# Altium PCB 23D_ESC_DRIVER.PcbDoc (continued)
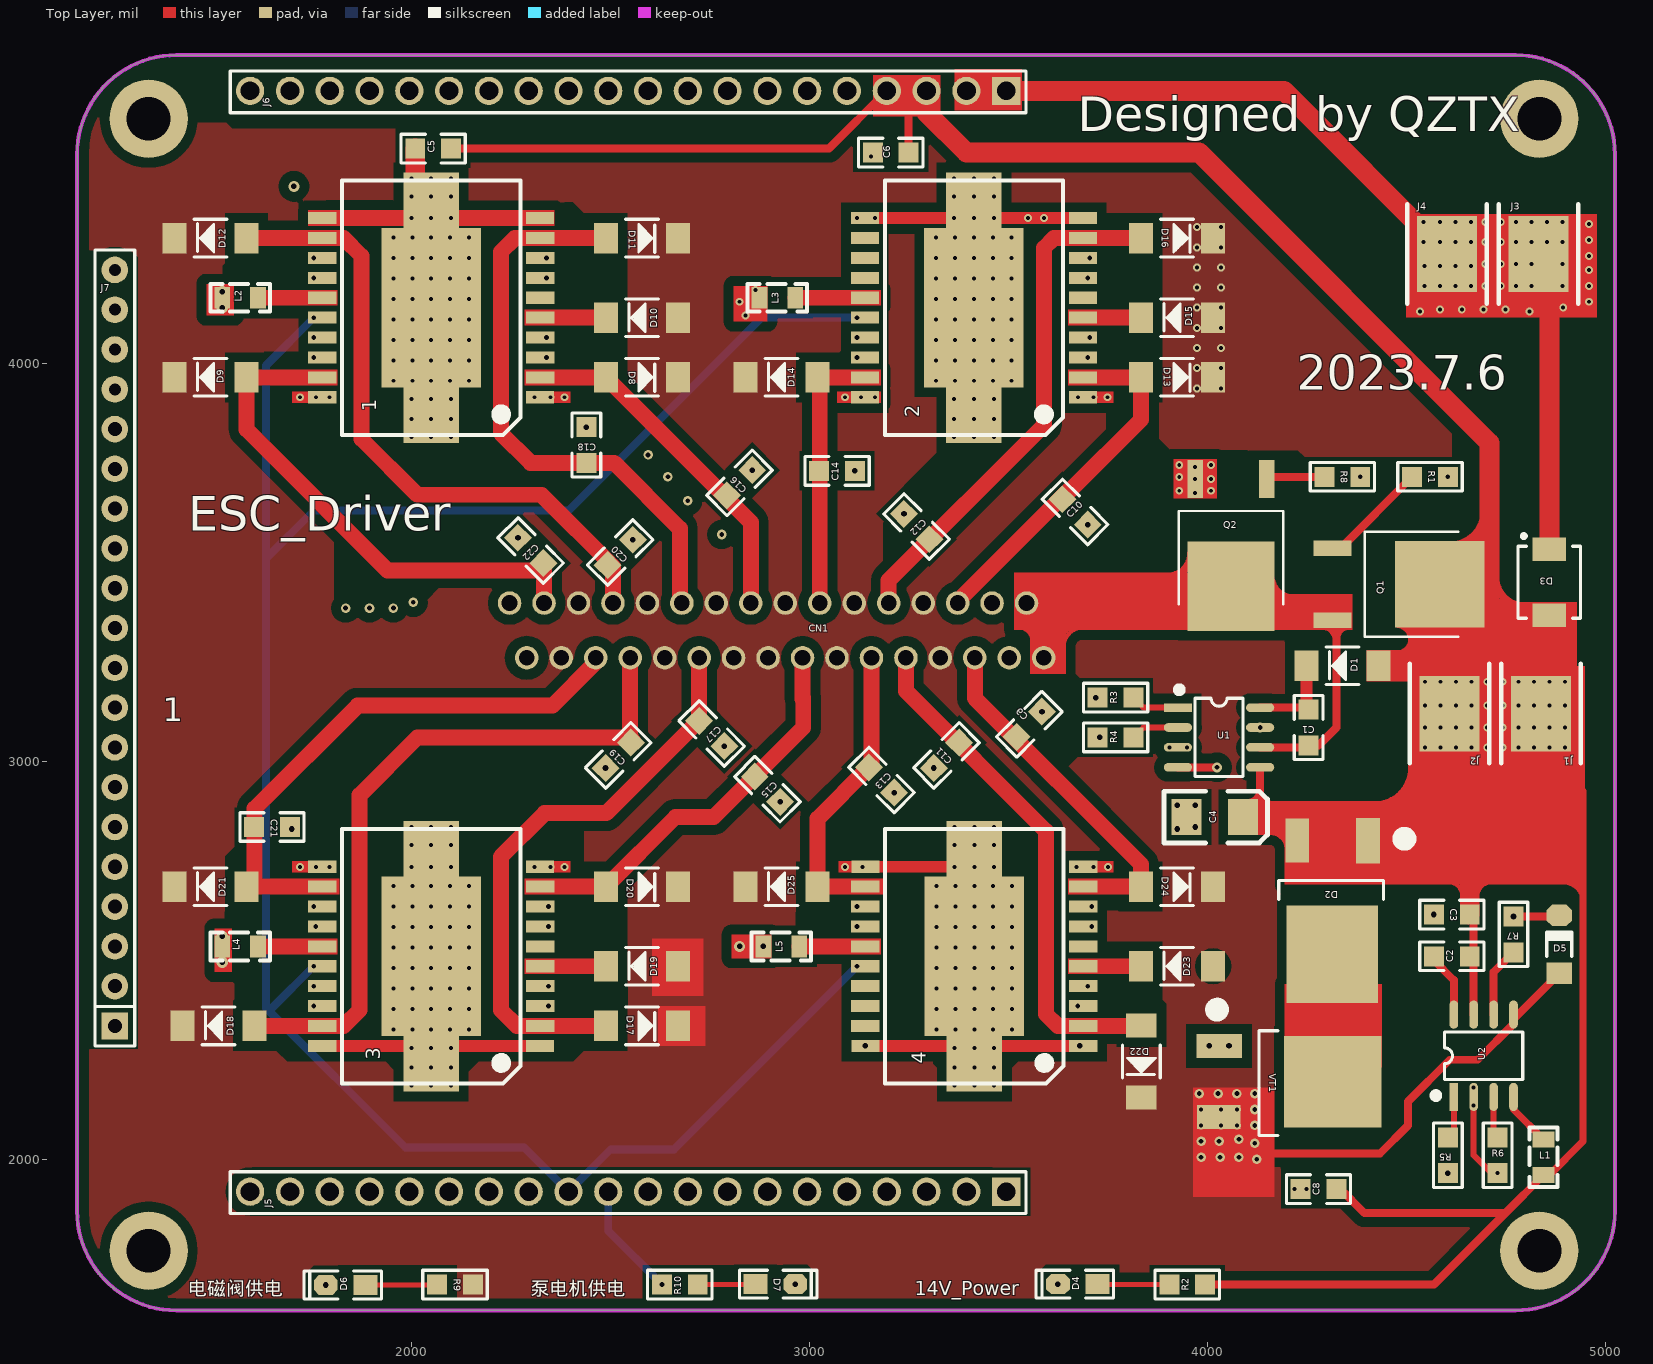
[diagram p0: Top Layer view]
## Part data
C1 C2 C3 C5 C6 C8 C9 C10 C11 C12 C13 C14 C15 C16 C17 C18 C19 C20 C21 C22: library part Cap, "无极性电容"
C4: library part Cap_Pol, "极性电容"
CN1: "间距:2.2mm;插针结构:2x16P;排数:2;每排PIN数:16;行距:3mm;公母:公型插针;安装方式:弯插;"
D1 D2 D8 D9 D10 D11 D12 D13 D14 D15 D16 D17 D18 D19 D20 D21 D22 D23 D24 D25: library part Diode, "二极管"
D3: library part P6SMBXX, "BiDir TVS Diode"
D4 D6 D7: library part LED, "发光二极管"
D5: library part Diode_Zener
J1 J2 J3 J4: "表贴接线端"
J5 J6 J7: "排数:单排;总PIN位数:20;间距:2.54mm;插针结构:1x20P;行距:-;安装类型:直插;圆针/方针:方针;额定电流:3A;额定电压:-;配合针长度:-;塑高:-;端接针长度:-;触头材质:黄铜;触头镀层:-;工作温度范围:-40℃~+105℃;颜色:黑色;"
L1 L2 L3 L4 L5: "电感"
Q1 Q2: "类型:N沟道;漏源电压(Vdss):30V;连续漏极电流(Id):120A;导通电阻(RDS(on)@Vgs,Id):2.3mΩ@10V,120A;"
R1 R2 R3 R4 R5 R6 R7 R8 R9 R10: library part Resistor, "电阻"
U1: "Half-Bridge Gate Driver"
U2: "B2B MOSFET Driver"
VT1: library part PowerMos_N

## Free pads (board coordinates)
  round 196.85 hole 110.24: 5(1340,1770) 5(1340,4615) 5(4835,1770) 5(4835,4615)

## Via types
v1: diameter 20, hole 10, Top Layer to Bottom Layer, 394 vias
v2: diameter 24, hole 12, Top Layer to Bottom Layer, 55 vias
v3: diameter 28, hole 14, Top Layer to Bottom Layer, 37 vias
v4: diameter 25, hole 12, Top Layer to Bottom Layer, 4 vias

## Nets (pads, with @x,y where several pads share a name; then routed paths per layer and width w, separated by ;. In a path a pad name is that pad's centre, name@x,y a point inside that pad or via, vN(x,y) a via of type N, cw(c..) or ccw(c..) an arc to the next point about the centre after c; other vN are vias at no path point)
GND1: 1.15 L2.2 | length 161.1
  Top Layer w40: L2.2 1.15
GND2: 2.15 L3.2 | length 176.1
  Top Layer w40: L3.2 2.15 2.15@3141.08,4165
GND3: 3.15 L4.2 | length 161.1
  Top Layer w40: L4.2 3.15
GND4: 4.15 L5.2 | length 166.1
  Top Layer w40: L5.2 4.15
L9349_ENABLE: 1.16 2.16 3.16 4.16 J5.12 | length 5616.1
  Signal Layer 2 w15: J5.12 J5.12@2395,1940
  Bottom Layer w15: 1635,2385 1635,2380 1650,2380
  Bottom Layer w20: 1635,2380 1985,2030 2283.5,2030 J5.12 2501.5,2025 2660,2025 v2(3120,2485) ; 1635,2385 1635,3510 ; 1650,2380 v2(1755,2485) ; v2(1755,4115) 1635,3995 1635,3510 ; v2(3120,4115) 2880,4115 2395,3630 1755,3630 1635,3510
LBI_OUT: 1.19 C22.1 CN1.30 D9.1 | length 1332
  Top Layer w40: 1.19 D9.1 1586.03,3833.97 1940,3480 2331.82,3480 C22.1 ; CN1.30 C22.1@2333.63,3498.18
LBI_PWM: 1.17 J5.19 | length 2353.6
  Signal Layer 2 w20: J5.19 1475,2138.5 1475,3785 v2(1755,4065)
LBI_STA: 1.18 J6.13 | length 981.5
  Signal Layer 2 w20: v2(1755,4015) 1860,4120 1860,4400 2030,4570 2180,4570 J6.13
LBO_OUT: 2.19 C14.1 CN1.14 D14.1 | length 689.5
  Top Layer w40: CN1.14 3026.54,3959.49 D14.1 2.19 2.19@3141.08,3965
LBO_PWM: 2.17 J5.6 | length 3088.8
  Signal Layer 2 w20: J5.6 3136.5,2060 3695,2060 3800,2165 3800,3275 3215,3860 3215,3970 v2(3120,4065)
LBO_STA: 2.18 J6.17 | length 1537.7
  Signal Layer 1 w20: J6.17 1895,4625 2015,4505 2630,4505 v2(3120,4015)
LFI_OUT: 3.19 C19.2 CN1.25 D18.1 | length 1794.1
  Top Layer w15: D18.1@1615,2326.03 D18.1@1623.97,2335
  Top Layer w40: D18.1 D18.1@1615,2326.03 ; D18.1@1623.97,2335 3.19 1830,2335 1870,2375 1870,2915 2015,3060 C19.2@2550,3060 ; CN1.25 2550.16,3155.16 2550,3155 C19.2@2550,3060 ; C19.2 C19.2@2551.82,3056.82 ; C19.2@2556.82,3051.82 C19.2@2551.82,3056.82 ; C19.2@2550,3060 2551.82,3060 C19.2@2551.82,3056.82 ; C19.2@2550,3060 2550,3058.64 C19.2@2551.82,3056.82
LFI_PWM: 3.17 J5.17 | length 686.3
  Signal Layer 2 w20: v2(1755,2435) 1620,2300 1620,2193.5 J5.17
LFI_STA: 3.18 J6.9 | length 3014.5
  Signal Layer 1 w20: v2(1895,3385) 1895,3520 2030,3655 2585,3655 v2(2645,3715)
  Signal Layer 2 w20: v2(1755,2385) 1895,2525 v2(1895,3385) ; v2(2645,3715) 2695,3765 J6.9
LFO_OUT: 3.9 C15.2 CN1.15 D20.1 | length 1007.5
  Top Layer w40: 3.9 D20.1 2663.97,2860 2760,2860 2985,3085 2985,3155 ; CN1.15 2983.23,3156.77 2985,3155 ; 2985,3160 2985,3155
LFO_PWM: 3.7 J5.15 | length 852.9
  Signal Layer 2 w20: J5.15 2445,2268.5 2445,2485 v2(2345,2585)
LFO_STA: 3.8 J6.7 | length 2928.9
  Signal Layer 1 w15: J6.7@2895,4670 J6.7
  Signal Layer 1 w20: v2(2005,3400) 2080,3475 2685,3475 v2(2780,3570)
  Signal Layer 2 w20: v2(2005,3400) 2005,3215 2097.5,3122.5 2097.5,3098.25 2240,2955.75 2240,2740 v2(2345,2635) ; v2(2780,3570) 2895,3685 J6.7
LSTB1_OUT: 4.9 C9.2 CN1.5 D24.1 | length 893.1
  Top Layer w40: CN1.5 3416.3,3158.7 3833.97,2741.03 D24.1 4.9
LSTB1_PWM: 4.7 J5.7 | length 1387.3
  Signal Layer 2 w20: J5.7 3081.5,2105 3665,2105 3760,2200 3760,2535 v2(3710,2585)
LSTB1_STA: 4.8 J6.20 | length 6251.6
  Signal Layer 1 w20: J6.20 1330,4420 1330,2005 1585,1750 3590,1750 3905,2065 3905,2440 v2(3710,2635)
LSTB2_OUT: 4.2 C11.2 CN1.9 D22.1 | length 1293.6
  Top Layer w40: CN1.9 3243.07,3176.93 3595,2825 3595,2365 3625.01,2334.99 4.2 3833.96,2334.99 D22.1
LSTB2_PWM: 4.4 J5.8 | length 1277.3
  Signal Layer 2 w20: J5.8 3026.5,2150 3650,2150 3725,2225 3725,2410 v2(3700,2435)
LSTB2_STA: 4.3 J6.19 | length 5691.9
  Signal Layer 1 w20: J6.19 1415,4405 1415,2000 1595,1820 3540,1820 3760,2040 3760,2300 v2(3675,2385)
LTC_OUT: 3.2 C17.2 CN1.21 D17.1 | length 1466.7
  Top Layer w40: D17.1 3.2 2265.01,2334.99 2225,2375 2225,2760 2335,2870 2490,2870 C17.2@2723.39,3103.39 ; C17.2 2723.39,3102.03 C17.2@2723.39,3103.39 ; CN1.21@2725,3258.39 CN1.21 C17.2@2723.39,3103.39
LTC_PWM: 3.4 J5.16 | length 702.9
  Signal Layer 2 w20: J5.16 2395,2318.5 2395,2385 v2(2345,2435)
LTC_STA: 3.3 J6.8 | length 3145.2
  Signal Layer 1 w15: v2@2695,3650.45 v2(2695,3655) ; J6.8@2795,4680 J6.8
  Signal Layer 1 w20: v2(1955,3385) 1955,3475 2080,3600 2644.55,3600 v2@2695,3650.45
  Signal Layer 2 w20: v2(1955,3385) 1955,3145 2175,2925 2175,2745 2227.5,2692.5 2227.5,2502.5 v2(2345,2385) ; v2(2695,3655) 2795,3755 J6.8
MOTOR+: C1.1 CN1.1 CN1.2 Q1.3 Q2.2 U1.6 | length 1139.5
  Top Layer w10: 3530,3335 cw(c3530,3305) 3560,3305 ; 3635,3315 cw(c3690,3280) 3725,3335 ; 3640,3295 cw(c3687.5,3287.5) 3695,3335 ; 3905,3470 ccw(c3902.5,3522.5) Q2.2@3955,3525 ; 3945,3490 cw(c3925,3490) 3925,3470 ccw(c3927.5,3497.5) Q2.2@3955,3495 ; Q2.2@4160,3430 ccw(c4182.5,3437.5) 4190,3415 ; Q2.2@4160,3450 ccw(c4200,3455) 4205,3415 ; Q2.2@4165,3460 ccw(c4217.5,3467.5) 4225,3415 ; 4285,3335 cw(c4290,3305) 4320,3310 ; 4330,3310 cw(c4355,3310) 4355,3335
  Top Layer w20: U1.6 C1.1@4250,3035 ; C1.1 4280,3040 4325,3085 4325,3345.27 Q1.3
  Top Layer w30: C1.1@4250,3035 C1.1
Net1_5: 1.5 D10.2 | length 165.1
  Top Layer w40: 1.5 D10.2
Net2_5: 2.5 D15.2 | length 145.1
  Top Layer w40: 2.5@3688.92,4115 D15.2
Net3_5: 3.5 D19.2 | length 165.1
  Top Layer w40: 3.5 D19.2
Net4_5: 4.5 D23.2 | length 145.1
  Top Layer w40: 4.5 D23.2
NetC1_2: C1.2 D1.2 U1.8 | length 228.8
  Top Layer w20: U1.8 C1.2@4250,3135
  Top Layer w30: D1.2 4249.93,3135.07 4250,3135 C1.2
NetC2_1: C2.1 U2.8 | length 167.4
  Top Layer w20: C2.1 4570,2500 4620,2450 U2.8
NetD2_2: D2.2 VT1.2
NetD4_1: D4.1 R2.1 | length 180.4
  Top Layer w12: D4.1@3726,1685 R2.1
  Top Layer w18: D4.1 D4.1@3726,1685
NetD5_2: D5.2 R7.2 VT1.1 | length 1025.7
  Top Layer w20: R7.2@4763.03,2616.97 v3(4770,2610) 4881.97,2610 D5.2
  Signal Layer 2 w20: v3(4005,2285) v3(4055,2285) 4445,2285 v3(4770,2610)
NetD6_1: D6.1 R9.2 | length 180.4
  Top Layer w12: D6.1 2064,1684 R9.2
NetD7_1: D7.1 R10.2 | length 145.4
  Top Layer w12: R10.2 2864,1685 D7.1
NetL1_1: L1.1 U2.4 | length 147.7
  Top Layer w18: U2.4@4770,2166.65 U2.4 4770,2125 L1.1
NetQ1_1: Q1.1 R1.2 | length 274.1
  Top Layer w20: Q1.1 4335.16,3535.16 R1.2
NetQ2_1: Q2.1 R8.2 | length 147.1
  Top Layer w20: Q2.1 4155.58,3715 R8.2
NetR1_1: R1.1 U1.7 | length 825.4
  Signal Layer 2 w20: v4(4133.35,3085) 4605,3556.65 v4(4605,3715)
NetR3_2: R3.2 U1.1 | length 122
  Top Layer w15: R3.2 3840,3135 U1.1
NetR4_2: R4.2 U1.2 | length 122
  Top Layer w15: R4.2 3840,3085 U1.2
NetR5_2: R5.2 U2.1 | length 117.9
  Top Layer w15: R5.2 4620,2070 U2.1 U2.1@4620,2166.65
NetR6_2: R6.2 U2.3 | length 115.8
  Top Layer w15: U2.3@4720,2166.65 U2.3 4720,2065 R6.2
NetR7_1: R7.1 U2.6 | length 177.4
  Top Layer w20: U2.6 4720,2470 R7.1
NetR8_1: R8.1 U1.4 | length 977.5
  Top Layer w20: U1.4 v4(4025,2985)
  Signal Layer 2 w20: v4(4025,2985) 4025,3355 v4(4385,3715)
POWERGND: 1.1 1.10 1.11 1.20 1.21 2.1 2.10 2.11 2.20 2.21 3.1 3.10 3.11 3.20 3.21 4.1 4.10 4.11 4.20 4.21 C3.2 C4.2 C5.1 C6.1 C8.1 C9.1 C10.2 C11.1 C12.2 C13.1 C14.2 C15.1 C16.2 C17.1 C18.2 C19.1 C20.2 C21.1 C22.2 CN1.3 CN1.4 D3.2 D4.2 D6.2 D7.2 J3.1 J4.1 J6.1 J6.2 J7.1 J7.2 J7.3 J7.4 J7.5 J7.6 J7.7 J7.8 J7.9 J7.10 J7.11 J7.12 J7.13 J7.14 J7.15 J7.16 J7.17 J7.18 J7.19 J7.20 L2.1 L3.1 L4.1 L5.1 Q2.3 R6.1 U1.3 U2.2 | length 5144.5
  Top Layer w15: 3.21@2005,2735 v1(2050,2735) v1(2100,2735) 3.21@2105,2735 ; U2.2@4670,2166.65 U2.2 v1(4670,2135) 4670,2010 4715,1965 v1(4730,1965)
  Top Layer w30: 3.20@1781.18,2285 3.1 3.1@2328.82,2285 ; v1(2000,2735) 3.21@2005,2735 ; 3.10 3.10@2328.82,2735 ; v3(3141.18,2285) 3410,2285 v1(3415,2280) ; 4.11 v1(3365,2735) 3370,2735 4.21@3415,2780 ; 2.11@3141.18,4365 v1(3165,4365) v1(3363.92,4365) v1(3413.92,4365) v1(3463.92,4365) v1(3550,4365) v1(3590,4365) 2.10 ; 4.21@3415,2240 3460,2285 v3(3680,2285) 4.1
  Top Layer w40: 1.11 v1(2000,4365) v1(2050,4365) ; 1.21@2050,4410 2095,4365 v1(2100,4365) 1.10
  Top Layer w50: C5.1 2010,4450 1.21@2050,4410 ; J6.2 J6.1 4193,4685 J4.1 ; J3.1 4860,4248 D3.2
  other v1: 4220,1925 4250,1925 4670,2180 2000,2185 2050,2185 2100,2185 3365,2185 3415,2185 3465,2185 2000,2230 2050,2230 2100,2230 3365,2230 3415,2230 3465,2230 2000,2280 2050,2280 2100,2280 3365,2280 3465,2280 1955,2326.43 2002.5,2326.43 2050,2326.43 2097.5,2326.43 2145,2326.43 3320,2326.43 3367.5,2326.43 3415,2326.43 3462.5,2326.43 3510,2326.43 1955,2377.86 2002.5,2377.86 2050,2377.86 2097.5,2377.86 2145,2377.86 3320,2377.86 3367.5,2377.86 3415,2377.86 3462.5,2377.86 3510,2377.86 1955,2429.29 2002.5,2429.29 2050,2429.29 2097.5,2429.29 2145,2429.29 3320,2429.29 3367.5,2429.29 3415,2429.29 3462.5,2429.29 3510,2429.29 1955,2480.71 2002.5,2480.71 2050,2480.71 2097.5,2480.71 2145,2480.71 3320,2480.71 3367.5,2480.71 3415,2480.71 3462.5,2480.71 3510,2480.71 1955,2532.14 2002.5,2532.14 2050,2532.14 2097.5,2532.14 2145,2532.14 3320,2532.14 3367.5,2532.14 3415,2532.14 3462.5,2532.14 3510,2532.14 1955,2583.57 2002.5,2583.57 2050,2583.57 2097.5,2583.57 2145,2583.57 3320,2583.57 3367.5,2583.57 3415,2583.57 3462.5,2583.57 3510,2583.57 1955,2635 2002.5,2635 2050,2635 2097.5,2635 2145,2635 3320,2635 3367.5,2635 3415,2635 3462.5,2635 3510,2635 1955,2686.43 2002.5,2686.43 2050,2686.43 2097.5,2686.43 2145,2686.43 3320,2686.43 3367.5,2686.43 3415,2686.43 3462.5,2686.43 3510,2686.43 1720,2735 1760,2735 1795,2735 2310,2735 2350,2735 2385,2735 3090,2735 3133.82,2735 3415,2735 3465,2735 3671.18,2735 3715,2735 3751.18,2735 2000,2790 2050,2790 2100,2790 3365,2790 3415,2790 3465,2790 2000,2835 2050,2835 2100,2835 3365,2835 3415,2835 3465,2835 3905,3035 3950,3035 3969.84,3674.57 3930,3680 4010,3680 3969.84,3709.57 4010,3710 3930,3715 3969.84,3739.57 3930,3745 4010,3745 2000,3815 2050,3815 2100,3815 3363.92,3815 3413.92,3815 3463.92,3815 2000,3860 2050,3860 2100,3860 3363.92,3860 3413.92,3860 3463.92,3860 2000,3910 2050,3910 2100,3910 3363.92,3910 3413.92,3910 3463.92,3910 1720,3915 1760,3915 1795,3915 2310,3915 2350,3915 2385,3915 3090,3915 3130,3915 3165,3915 3675,3915 3715,3915 3750,3915 1955,3956.43 2002.5,3956.43 2050,3956.43 2097.5,3956.43 2145,3956.43 3318.92,3956.43 3366.42,3956.43 3413.92,3956.43 3461.42,3956.43 3508.92,3956.43 1955,4007.86 2002.5,4007.86 2050,4007.86 2097.5,4007.86 2145,4007.86 3318.92,4007.86 3366.42,4007.86 3413.92,4007.86 3461.42,4007.86 3508.92,4007.86 1955,4059.29 2002.5,4059.29 2050,4059.29 2097.5,4059.29 2145,4059.29 3318.92,4059.29 3366.42,4059.29 3413.92,4059.29 3461.42,4059.29 3508.92,4059.29 1955,4110.71 2002.5,4110.71 2050,4110.71 2097.5,4110.71 2145,4110.71 3318.92,4110.71 3366.42,4110.71 3413.92,4110.71 3461.42,4110.71 3508.92,4110.71 2840,4120 4535,4130 4810,4130 4585,4135 4640,4135 4695,4135 4750,4135 4895,4140 2825,4155 4960,4155 1955,4162.14 2002.5,4162.14 2050,4162.14 2097.5,4162.14 2145,4162.14 3318.92,4162.14 3366.42,4162.14 3413.92,4162.14 3461.42,4162.14 3508.92,4162.14 2865,4185 4546,4195 4585,4195 4624,4195 4663,4195 4699,4195 4738,4195 4776,4195 4815,4195 4893,4195 4960,4195 1955,4213.57 2002.5,4213.57 2050,4213.57 2097.5,4213.57 2145,4213.57 3318.92,4213.57 3366.42,4213.57 3413.92,4213.57 3461.42,4213.57 3508.92,4213.57 4960,4235 4546,4245 4585,4245 4624,4245 4663,4245 4699,4250 4738,4250 4776,4250 4815,4250 4893,4250 1955,4265 2002.5,4265 2050,4265 2097.5,4265 2145,4265 3318.92,4265 3366.42,4265 3413.92,4265 3461.42,4265 3508.92,4265 4960,4270 4544,4305 4585,4305 4624,4305 4663,4305 4699,4305 4738,4305 4776,4305 4815,4305 4854,4305 4893,4305 4960,4310 1955,4316.43 2002.5,4316.43 2050,4316.43 2097.5,4316.43 2145,4316.43 3318.92,4316.43 3366.42,4316.43 3413.92,4316.43 3461.42,4316.43 3508.92,4316.43 4960,4350 4544,4355 4585,4355 4624,4355 4663,4355 4699,4355 4738,4355 4776,4355 4815,4355 4854,4355 4893,4355 3120,4365 2000,4420 2050,4420 2100,4420 3363.92,4420 3413.92,4420 3463.92,4420 2000,4465 2050,4465 2100,4465 3363.92,4465 3413.92,4465 3463.92,4465 3155,4520
  other v3: 1785,1684 2965,1686 3625,1686 1525,2495 2825,2535 2885,2535 1525,2560 4570,2615 1700,2830 3925,2830 3970,2835 3925,2890 3970,2890 2926.82,2898.18 3213.64,2921.36 2488.18,2983.18 3313.18,2983.18 2786.82,3038.18 3585,3125 2556.82,3556.82 2268.18,3561.82 3700,3595 3238.18,3621.82 3115,3730 2856.82,3731.82 2440,3840 1525,4140 1525,4180
PUMP_ENABLE: J5.11 R4.1 R10.1 | length 2085.3
  Signal Layer 1 w20: J5.11 2695,2118.5 2698.76,2118.5 3235,2654.75 3235,2805 3490,3060 v3(3730,3060)
  Bottom Layer w20: J5.11 2495,1820 v2(2630,1685)
PUMP_PWM: J5.3 R3.1 | length 1463.1
  Signal Layer 1 w20: J5.3 3595,2218.5 3595,2845 3775,3025 3775,3105 v3(3720,3160)
RBI_OUT: 3.12 C21.2 CN1.27 D21.1 | length 1388.3
  Top Layer w40: D21.1@1606.03,2685 1606.03,2881.03 1865,3140 2355,3140 2463.55,3248.55 CN1.27 ; D21.1@1610,2685 3.12@1781.08,2685
RBI_PWM: 3.14 J5.18 | length 846.7
  Signal Layer 2 w20: v2(1760,2585) 1560,2385 1560,2153.5 J5.18
RBI_STA: 3.13 J6.10 | length 2737.7
  Signal Layer 1 w20: v2(1835,3385) 1835,3590 1955,3710 2535,3710 v2(2595,3770)
  Signal Layer 2 w20: v2(1755,2635) 1835,2715 v2(1835,3385) ; v2(2595,3770) J6.10
RBO_OUT: 4.12 C13.2 CN1.11 D25.1 | length 751.1
  Top Layer w40: 4.12 D25.1 3021.03,2856.03 C13.2 3156.46,2991.46 CN1.11
RBO_PWM: 4.14 J5.9 | length 842.5
  Signal Layer 2 w20: J5.9 2695,2160 v2(3120,2585)
RBO_STA: 4.13 J6.18 | length 4545.8
  Signal Layer 1 w20: J6.18 1795,4630 1483.5,4318.5 1483.5,2201.5 1625,2060 2545,2060 v2(3120,2635)
RFI_OUT: 1.12 C20.1 CN1.26 D12.1 | length 1624.2
  Top Layer w40: D12.1 1830,4315 1875,4270 1875,3810 2015,3670 2326.86,3670 2506.86,3490 CN1.26
RFI_PWM: 1.14 J5.20 | length 2553.3
  Signal Layer 2 w20: J5.20 1365,2148.5 1365,3825 v2(1755,4215)
RFI_STA: 1.13 J6.14 | length 724.8
  Signal Layer 1 w15: J6.14@2195,4665 J6.14
  Signal Layer 2 w20: v2(1755,4265) 1755,4420 1940,4605 2115,4605 J6.14
RFO_OUT: 1.2 C16.1 CN1.18 D8.1 | length 883.2
  Top Layer w40: 1.2 D8.1 2853.31,3600.66 CN1.18
RFO_PWM: 1.4 J5.10 | length 2376.4
  Signal Layer 2 w20: v2(2340,4065) 2265,3990 2265,3660 2190,3585 2190,3145 2595,2740 J5.10
RFO_STA: 1.3 J6.11 | length 734.2
  Signal Layer 2 w20: v2(2340,4015) 2495,4170 J6.11
RSTB1_OUT: 2.9 C12.1 CN1.10 D16.1 | length 1308.2
  Top Layer w40: CN1.10 3199.77,3454.77 3590,3845 3590,4290 3615,4315 2.9 D16.1
RSTB1_PWM: 2.7 J5.4 | length 2939.7
  Signal Layer 2 w20: J5.4 3261.5,1985 3755,1985 3875,2105 3875,4040 v2(3700,4215)
RSTB1_STA: 2.8 J6.16 | length 1927.9
  Signal Layer 1 w20: J6.16 1995,4655 2095,4555 3460,4555 3705,4310 v2(3705,4265)
RSTB2_OUT: 2.2 C10.1 CN1.6 D13.1 | length 905.7
  Top Layer w40: CN1.6 3373,3402.14 3654.39,3683.54 3658.74,3683.54 3833.97,3858.77 D13.1 2.2@3688.92,3964.99
RSTB2_PWM: 2.4 J5.5 | length 2823.5
  Signal Layer 2 w20: J5.5 3206.5,2030 3740,2030 3840,2130 3840,3930 v2(3705,4065)
RSTB2_STA: 2.3 J6.15 | length 2153.5
  Signal Layer 1 w20: J6.15 2180,4600 3500,4600 3755,4345 3755,4069.75 v2(3700.25,4015)
RTC_OUT: 1.9 C18.1 CN1.22 D11.1 | length 1472.2
  Top Layer w40: D11.1 1.9 2260,4315 2225,4280 2225,3825 2300,3750 C18.1 2510,3750 2675,3585 2675,3402.88 CN1.22
RTC_PWM: 1.7 J5.14 | length 2671.4
  Signal Layer 2 w20: J5.14 2505,2228.5 2505,2755 2125,3135 2125,3625 2215,3715 2215,4090 v2(2340,4215)
RTC_STA: 1.8 J6.12 | length 442.8
  Signal Layer 2 w20: v2(2340,4265) 2395,4320 J6.12
VALVES+: CN1.7 CN1.8 CN1.12 CN1.13 CN1.16 CN1.17 CN1.19 CN1.20 CN1.23 CN1.24 CN1.28 CN1.29 D5.1 D8.2 D9.2 D10.1 D11.2 D12.2 D13.2 D14.2 D15.1 D16.2 D17.2 D18.2 D19.1 D20.2 D21.2 D22.2 D23.1 D24.2 D25.2 R9.1 U2.5 VT1.3 | length 1005
  Top Layer w20: 4120.78,2015 4435,2015 4505,2085 4505,2145 4610,2250 4680,2250 4770,2340 U2.5@4770,2351.97 ; U2.5 U2.5@4770,2351.97 ; D5.1 U2.5@4770,2351.97
  other v1: 3985,2085 4035,2085 4075,2085 3985,2125 4035,2125 4075,2125 3975,3937.5 4035,3937.5 3975,3988.12 4035,3988.12 3975,4038.75 4035,4038.75 3975,4089.38 4035,4089.38 3975,4140 4035,4140 3975,4190.62 4035,4190.62 3975,4241.25 4035,4241.25 3975,4291.88 4035,4291.88 3975,4342.5 4035,4342.5
  other v2: 4125,2000 3985,2005 4032.5,2005 4080,2005 4120,2040 3985,2045 4030,2045 4080,2050 4120,2085 4120,2125 3980,2165 4027.5,2165 4075,2165 4120,2165
VALVES_ENABLE: J5.13 R5.1 | length 2402.6
  Signal Layer 2 w20: J5.13 2383.5,1830 4470,1830 v3(4605,1965)
VCC_14V: C2.2 C3.1 C4.1 C5.2 C6.2 C8.2 D1.1 D2.1 D3.1 J1.1 J2.1 J6.3 J6.4 L1.2 Q1.2 R2.2 U1.5 U2.7 | length 8412.4
  Top Layer w10: C4.1@4100,2900 ccw(c4100,2930) 4130,2930 ; 4140,2915 ccw(c4170,2925) 4180,2895 ; 4160,2820 cw(c4157.5,2777.5) D2.1@4200,2775 ; 4180,2820 cw(c4177.5,2792.5) D2.1@4205,2790 ; 4425,2895 ccw(c4422.5,2982.5) 4510,2985 ; 4435,2895 ccw(c4435,2970) 4510,2970 ; 4460,2895 ccw(c4457.5,2947.5) 4480,2900 ; 4480,3275 ccw(c4480,3305) 4510,3305 ; 4495,2895 ccw(c4495,2910) 4510,2910 ; 4510,2925 cw(c4482.5,2927.5) 4480,2900 ; 4510,2950 cw(c4457.5,2947.5) 4480,2900 ; 4510,3300 ccw(c4475,3305) 4480,3340 cw(c4487.5,3312.5) 4515,3320 ; 4600,2695 cw(c4607.5,2662.5) 4640,2670 ; Q1.2@4650,3550 ccw(c4652.5,3587.5) 4690,3585 ; Q1.2@4660,3550 ccw(c4667.5,3577.5) 4695,3570 ; 4675,2680 ccw(c4675,2695) 4690,2695 ; 4680,2665 cw(c4712.5,2662.5) 4715,2695 ; 4690,3605 cw(c4632.5,3607.5) 4630,3550 ccw(c4610,3630) 4690,3650 ; 4720,3425 ccw(c4760,3435) 4767.01,3394.37 ; 4725,3435 ccw(c4785,3455) 4767.01,3394.37 ; 4730,3455 ccw(c4797.5,3462.5) 4805,3395 cw(c4785,3455) 4767.01,3394.37 ; 4770,3395 cw(c4760,3435) 4767.01,3394.37 ; 4900,2695 cw(c4895,2645) 4935.08,2675.31 ; 4935,2675 ccw(c4915,2680) 4935.08,2675.31 ; 4945,2640 ccw(c4895,2645) 4945,2650 ccw(c4895,2645) 4935.08,2675.31 ; 4945,2660 ccw(c4912.5,2667.5) 4945,2675 ccw(c4912.5,2667.5) 4920,2700 cw(c4915,2680) 4935.08,2675.31
  Top Layer w15: C3.1 C3.1@4670,2605
  Top Layer w18: L1.2 4860,1960 4945,2045 4945,2650 4945,2675 4945,2925 4900,2970
  Top Layer w20: C5.2 3050,4540 J6.4 ; C6.2 3250,4650 ; R2.2 4570,1685 4750,1865 ; 4133.35,2871.65 U1.5 ; C8.2 4335,1925 4395,1865 4750,1865 ; U2.7 C3.1@4670,2605 ; L1.2 4750,1865
  Top Layer w50: J6.4 J6.3 3295,4630 3395,4530 3980,4530 4710,3800 v1@4710,3200 ; C3.1 4660,2725 4665,2730
  other v1: 4548,3035 4587,3035 4626,3035 4665,3035 4704,3035 4743,3035 4782,3035 4821,3035 4860,3035 4899,3035 4548,3085 4587,3085 4626,3085 4665,3085 4704,3085 4743,3085 4782,3085 4821,3085 4860,3085 4899,3085 4548,3140 4587,3140 4626,3140 4665,3140 4704,3140 4743,3140 4782,3140 4821,3140 4860,3140 4899,3140 4548,3200 4587,3200 4626,3200 4665,3200 4704,3200 4743,3200 4782,3200 4821,3200 4860,3200 4899,3200
pads on no net: 1.6 2.6 2.12 2.13 2.14 3.6 4.6 4.17 4.18 4.19 CN1.31 CN1.32 J5.1 J5.2 J6.5 J6.6
copper on no net:
  other v3: 1705,4445

## Polygon pours and split planes (outlines as drawn)
POWERGND on Bottom Layer "Top Layer-No Net2" (solid, remove dead copper, pour order 35): 1160,1870 1160,4524.97 1159.97,4524.97 cw(c1410,4524.97) 1410,4775 4774.97,4775 4774.97,4775.03 cw(c4774.97,4525) 5025,4525 5025,1870 5025.03,1870.03 cw(c4775,1870.03) 4775,1620 1410.03,1620 1410.03,1619.97 cw(c1410.03,1870)
VALVES+ on Signal Layer 1 "Top Layer-No Net1" (solid, remove dead copper, pour order 36): 1160,1870 1160,4524.97 1159.97,4524.97 cw(c1410,4524.97) 1410,4775 4774.97,4775 4774.97,4775.03 cw(c4774.97,4525) 5025,4525 5025,1870 5025.03,1870.03 cw(c4775,1870.03) 4775,1620 1410.03,1620 1410.03,1619.97 cw(c1410.03,1870)
VALVES+ on Top Layer "Top Layer-No Net" (solid, remove dead copper, pour order 34): 1160,1870 1160,4524.97 1159.97,4524.97 cw(c1410,4524.97) 1410,4775 4774.97,4775 4774.97,4775.03 cw(c4774.97,4525) 5025,4525 5025,1870 5025.03,1870.03 cw(c4775,1870.03) 4775,1620 1410.03,1620 1410.03,1619.97 cw(c1410.03,1870)

## Keep-outs
Keep-Out Layer:
  the board outline again, w10

## Other copper
Top Layer:
  rectangle net VALVES+: 3965,1905 4170,2180
  rectangle net VALVES+: 2620,2285 2740,2385
  rectangle net VALVES+: 2605,2410 2735,2555
  rectangle net POWERGND: 1505,2470 1550,2580
  rectangle net POWERGND: 1485,4120 1555,4200
  rectangle net POWERGND: 3365,4635 3535,4740
  rectangle net VCC_14V: 3160,4620 3330,4725
  rectangle net VCC_14V: 4715,3225 4930,3400
  rectangle net RBO_OUT: 3140,2665 3185,2705
  rectangle net LSTB2_OUT: 3650,2315 3705,2355
  rectangle net POWERGND: 3655,2720 3765,2750
  rectangle net RBI_OUT: 1740,2665 1820,2705
  rectangle net LFI_OUT: 1765,2315 1820,2355
  rectangle net LFO_OUT: 2285,2665 2345,2705
  rectangle net Net3_5: 2285,2465 2340,2505
  rectangle net LTC_OUT: 2285,2315 2325,2355
  rectangle net GND3: 1765,2515 1815,2555
  rectangle net GND4: 3120,2515 3180,2555
  rectangle net LSTB1_OUT: 3650,2665 3690,2705
  rectangle net Net4_5: 3650,2465 3695,2505
  rectangle net POWERGND: 1740,4350 2045,4380
  rectangle net POWERGND: 2060,4350 2310,4380
  rectangle net LBI_OUT: 1755,3945 1815,3985
  rectangle net POWERGND: 1740,4345 1785,4385
  rectangle net POWERGND: 2315,4345 2360,4385
  rectangle net RSTB2_OUT: 3650,3945 3690,3985
  rectangle net Net2_5: 3650,4095 3690,4135
  rectangle net RSTB1_OUT: 3650,4295 3695,4335
  rectangle net GND2: 3130,4145 3180,4185
  rectangle net LBO_OUT: 3135,3945 3180,3985
  rectangle net VCC_14V: 4505,2690 4950,3240
  rectangle net VCC_14V: 4195,2690 4945,2900
  rectangle net NetD2_2: 4195,2230 4440,2440
  rectangle net VCC_14V: 4110,2815 4205,2900
  rectangle net VCC_14V: 4505,3225 4700,3540
  rectangle net MOTOR+: 4165,3330 4365,3420
  rectangle net MOTOR+: 3515,3330 4015,3475
  rectangle net MOTOR+: 3555,3220 3645,3355
  rectangle net VCC_14V: 4400,3200 4548,3280
  rectangle net POWERGND: 1700,3900 1810,3930
  rectangle net POWERGND: 2290,3900 2400,3930
  rectangle net POWERGND: 3070,3900 3180,3930
  rectangle net POWERGND: 3655,3900 3765,3930
  rectangle net POWERGND: 3073.82,2720 3183.82,2750
  rectangle net POWERGND: 1700,2720 1810,2750
  rectangle net POWERGND: 2290,2720 2400,2750
  rectangle net RFO_OUT: 2285,3945 2335,3985
  rectangle net Net1_5: 2285,4095 2335,4135
  rectangle net GND1: 1765,4145 1815,4185
  rectangle net POWERGND: 2810,4105 2895,4195
  rectangle net POWERGND: 3915,3660 4025,3760
  rectangle net POWERGND: 4500,4115 4980,4375
  rectangle net POWERGND: 2805,2505 2905,2565
  pour cut-out: 4460,4150 4515,4095 4470,4095 4450,4115
  pour cut-out: 2545,2430 2545,2385 2475,2385 2445,2355 2425,2375 2340,2375 2340,2435 2365,2460 2375,2450 2515.58,2450 2543.97,2421.61 2543.97,2380.39
  pour cut-out: 2543.97,2621.61 2543.97,2541.03 2545,2540 2530,2525 2360,2525 2360,2645 2370,2655
  pour cut-out: 2433.97,2748.39 2435,2749.42 2435,2840 2369.19,2840 2299.19,2770 2370,2770 2430,2710 2435,2715 2445,2715
  pour cut-out: 1531.03,2748.39 1531.03,2761.03 1565,2795 1570,2795 1570,2740 1565,2735
  pour cut-out: 1530,2622.51 1530,2600 1565,2600 1595,2570 1725,2570 1725,2655 1720,2650 1557.49,2650
  pour cut-out: 1551.03,2397.98 1555,2401.95 1555,2460 1590,2460 1630,2500 1730,2500 1730,2360
  pour cut-out: 1661.03,2271.61 1687.84,2244.8 1715.75,2244.8 1715.75,2280.75 1730,2295 1650,2295
  pour cut-out: 2384.25,2244.8 2407.16,2244.8 2445,2282.64 2445,2300 2380,2300 2375,2305
  pour cut-out: 2135,2210 2180,2255 2135,2255
  pour cut-out: 1930,2250 1960,2220 1965,2220 1965,2255
  pour cut-out: 2966.03,2621.61 2965,2620.58 2965,2580 3095,2580 3095,2645
  pour cut-out: 3778.97,2548.39 3749.35,2548.39 3735,2534.03 3735,2520 3790,2520 3795,2515
  pour cut-out: 3778.97,2621.61 3775.58,2625 3740,2625 3740,2650 3790,2650
  pour cut-out: 3888.97,2421.61 3888.97,2400.45 3898.39,2391.03 3877.36,2370 3730,2370 3730,2450 3740,2460
  pour cut-out: 3510,2229.55 3525,2244.55 3525,2250 3500,2250
  pour cut-out: 3310,2245 3310,2240 3320,2230 3330,2240 3330,2250
  pour cut-out: 3670,1736 3641,1736 3640,1735 3670,1705 3685,1705
  pour cut-out: 2770,1735 2934,1735 2925,1726 2925,1715 2765,1715 2755,1705
  pour cut-out: 1815,1734 1816,1735 2015,1735 2015,1720 2020,1715 1805,1715
  pour cut-out: 1595,1857.78 3447.78,1857.78 3455,1865 3455,1895 1595,1895 1585,1885
  pour cut-out: 1595,1979.23 1599.23,1975 3470,1975
  pour cut-out: 3460,1980 1600,1980 1597.11,1977.11 1615,1959.23 1615,1935
  pour cut-out: 3460,1980 1600,1980 1597.11,1977.11
  pour cut-out: 3467.89,1977.11 1597.11,1977.11 1597.11,1952.89 1625,1925 3480,1925 3480,1965
  pour cut-out: 4195,3180 4195,3160 4220,3160 4220,3195
  pour cut-out: 4447.58,3320.25 4447.58,3302.42 4450,3300 4490,3300 4490,3310 4480,3320
  pour cut-out: 4390,3350 4390,3290 4365,3290 4355,3300
  pour cut-out: 4435,3765 4475,3765 4475,3710 4435,3670 4420,3670
  pour cut-out: 4500,3670 4660,3670 4655,3665 4655,3585 4640,3570 4480,3570 4470,3560 4435,3595 4430,3595
  pour cut-out: 4650,3670 4650,3590 4655,3585 4670,3600 4670,3670 4665,3675
  pour cut-out: 4615,3760 4615,3835 4620,3835 4675,3780 4670,3775 4670,3750
  pour cut-out: 3778.97,4378.39 3736.61,4378.39 3745,4370 3745,4345 3780,4345 3785,4350
  pour cut-out: 3888.97,4251.61 3888.97,4178.39 3808.39,4178.39 3780,4150 3735,4150 3735,4280 3740,4285 3750,4275 3790,4275
  pour cut-out: 3888.97,4051.61 3888.97,4028.39 3875.58,4015 3765,4015 3745,3995 3735,4005 3735,4075 3740,4080 3750,4070 3800,4070
  pour cut-out: 3745,3880 3745,3820 3800,3875 3800,3895
  pour cut-out: 3238.18,3692.53 3238.18,3694.26 3328.92,3785 3475,3785 3475,3780 3305,3610
  pour cut-out: 3190,3605 3185,3600 3185,3500 3190,3500 3260,3570
  pour cut-out: 3000,4115 3090,4115 3090,4130 3085,4135 3015,4135
  pour cut-out: 3010,4217.5 3092.5,4217.5 3095,4215 3090,4210 3005,4210 2995,4200
  pour cut-out: 2433.97,4378.39 2407.16,4405.2 2384.25,4405.2 2384.25,4369.25 2360,4345 2365,4340 2450,4340
  pour cut-out: 2433.97,4251.61 2368.39,4251.61 2360,4260 2375,4275 2375,4280 2450,4280
  pour cut-out: 2543.97,4251.61 2543.97,4178.39 2458.39,4178.39 2430,4150 2420,4160 2360,4160 2360,4260 2385,4285 2425,4285
  pour cut-out: 2543.97,4051.61 2543.97,4028.39 2530.58,4015 2395,4015 2380,4000 2365,4015 2365,4065 2375,4065 2390,4080 2410,4060 2470,4060
  pour cut-out: 2390,4080 2440,4080 2455,4065 2420,4030 2405,4030
  pour cut-out: 2387.5,4007.5 2442.5,4007.5 2445,4005 2450,4010 2450,4030 2405,4030 2400,4035
  pour cut-out: 1630,4030 1730,4030 1730,4015 1715,4000 1620,4000
  pour cut-out: 1660,4112.5 1722.5,4112.5 1725,4110 1730,4115 1730,4125 1645,4125 1640,4130
  pour cut-out: 1531.03,4251.61 1525,4245.58 1525,4220 1535,4220 1560,4195 1725,4195 1735,4205 1725,4215 1725,4285 1635,4285 1610,4260 1550,4260
  pour cut-out: 1805,3385 1805,3550.81 1900.81,3455 1975,3455 2005,3425 2005,3400
  pour cut-out: 2041.05,3390.34 2041.05,3406.05 2085,3450 2080,3455 2010,3455
  pour cut-out: 3879.36,3858.77 3879.36,3810.64 3906.45,3783.55 4100.37,3783.55 4105.9,3778.02 4109.87,3782 4228,3782 4420,3590 4455,3590 4455,3300 4450,3305 4375,3305 4375,3415 4380,3420 4370,3430 4200,3430 4200,3545 4180,3565 3945,3565 3945,3515 3915,3485 3510,3485 3510,3495 3830,3815
  pour cut-out: 4408.54,3665 4403.54,3670 4305,3670 4375,3600 4427.5,3652.5 4427.5,3670
  pour cut-out: 3660,3225 3665,3225 3690,3200 3685,3195 3685,3020 3640,2975 3565,3050 3565,3145 3530,3180 3530,3200
  pour cut-out: 4820,2580 4815,2580 4740,2505 4740,2340 4755,2325 4790,2360 4925,2360 4925,2470 4960,2505 4945,2520 4945,2600
  pour cut-out: 1960,4590 1550,4590 1535,4605 1450,4605 1450,4645 1340,4755 1360,4775 3035,4775 3095,4715 3080,4700 3080,4605 3040,4565 3020,4565 2400.01,4565 2014.66,4576.33
  pour cut-out: 1196.54,2276.54 1168.46,2276.54 1160,2285 1165,2290 1165,4270 1176.41,4270 1191.41,4285 1295,4285 1313.46,4266.54 1313.46,2276.54 1196.54,2276.54 1188.07,2285 1180,2285

## Silkscreen, mask and mechanical layers (free items; w line width, h text height)
Top Overlay:
  text "Designed by QZTX" at 3675,4555 h150
  text "2023.7.6" at 4225,3905 h150
  text "ESC_Driver" at 1440,3550 h150
  text "1" at 1375,3080 h100
  text "电磁阀供电" at 1440,1645 h60
  text "泵电机供电" at 2300,1645 h60
  text "14V_Power" at 3265,1645 h60
Top Solder:
  rectangle: 3605,3330 4055,3350
  lines w10: 3605,3320 ccw(c3605,3335) 3620,3335 ; 3610,3305 cw(c3645,3300) 3650,3335
  lines w40: 3580,3360 3955,3360 3965,3350
  lines w50: 3580,3360 3542.2,3397.8 3967.8,3397.8 ; 3589.53,3260 3589.53,3339.53

## Dimensions
1160,4775 to 1160,1620 on Keep-Out Layer